# Altium PCB Fri3d_2024_Blaster_01.PcbDoc
Units mm, origin at the board's own origin, x right, y up, seen from the top; angles counter-clockwise.
Board outline 131.23 x 140.15 mm, 2 copper layers (Top Layer, Bottom Layer), stack 1.571 mm thick; 24 components, 23 nets, 103 pads, 1 vias.
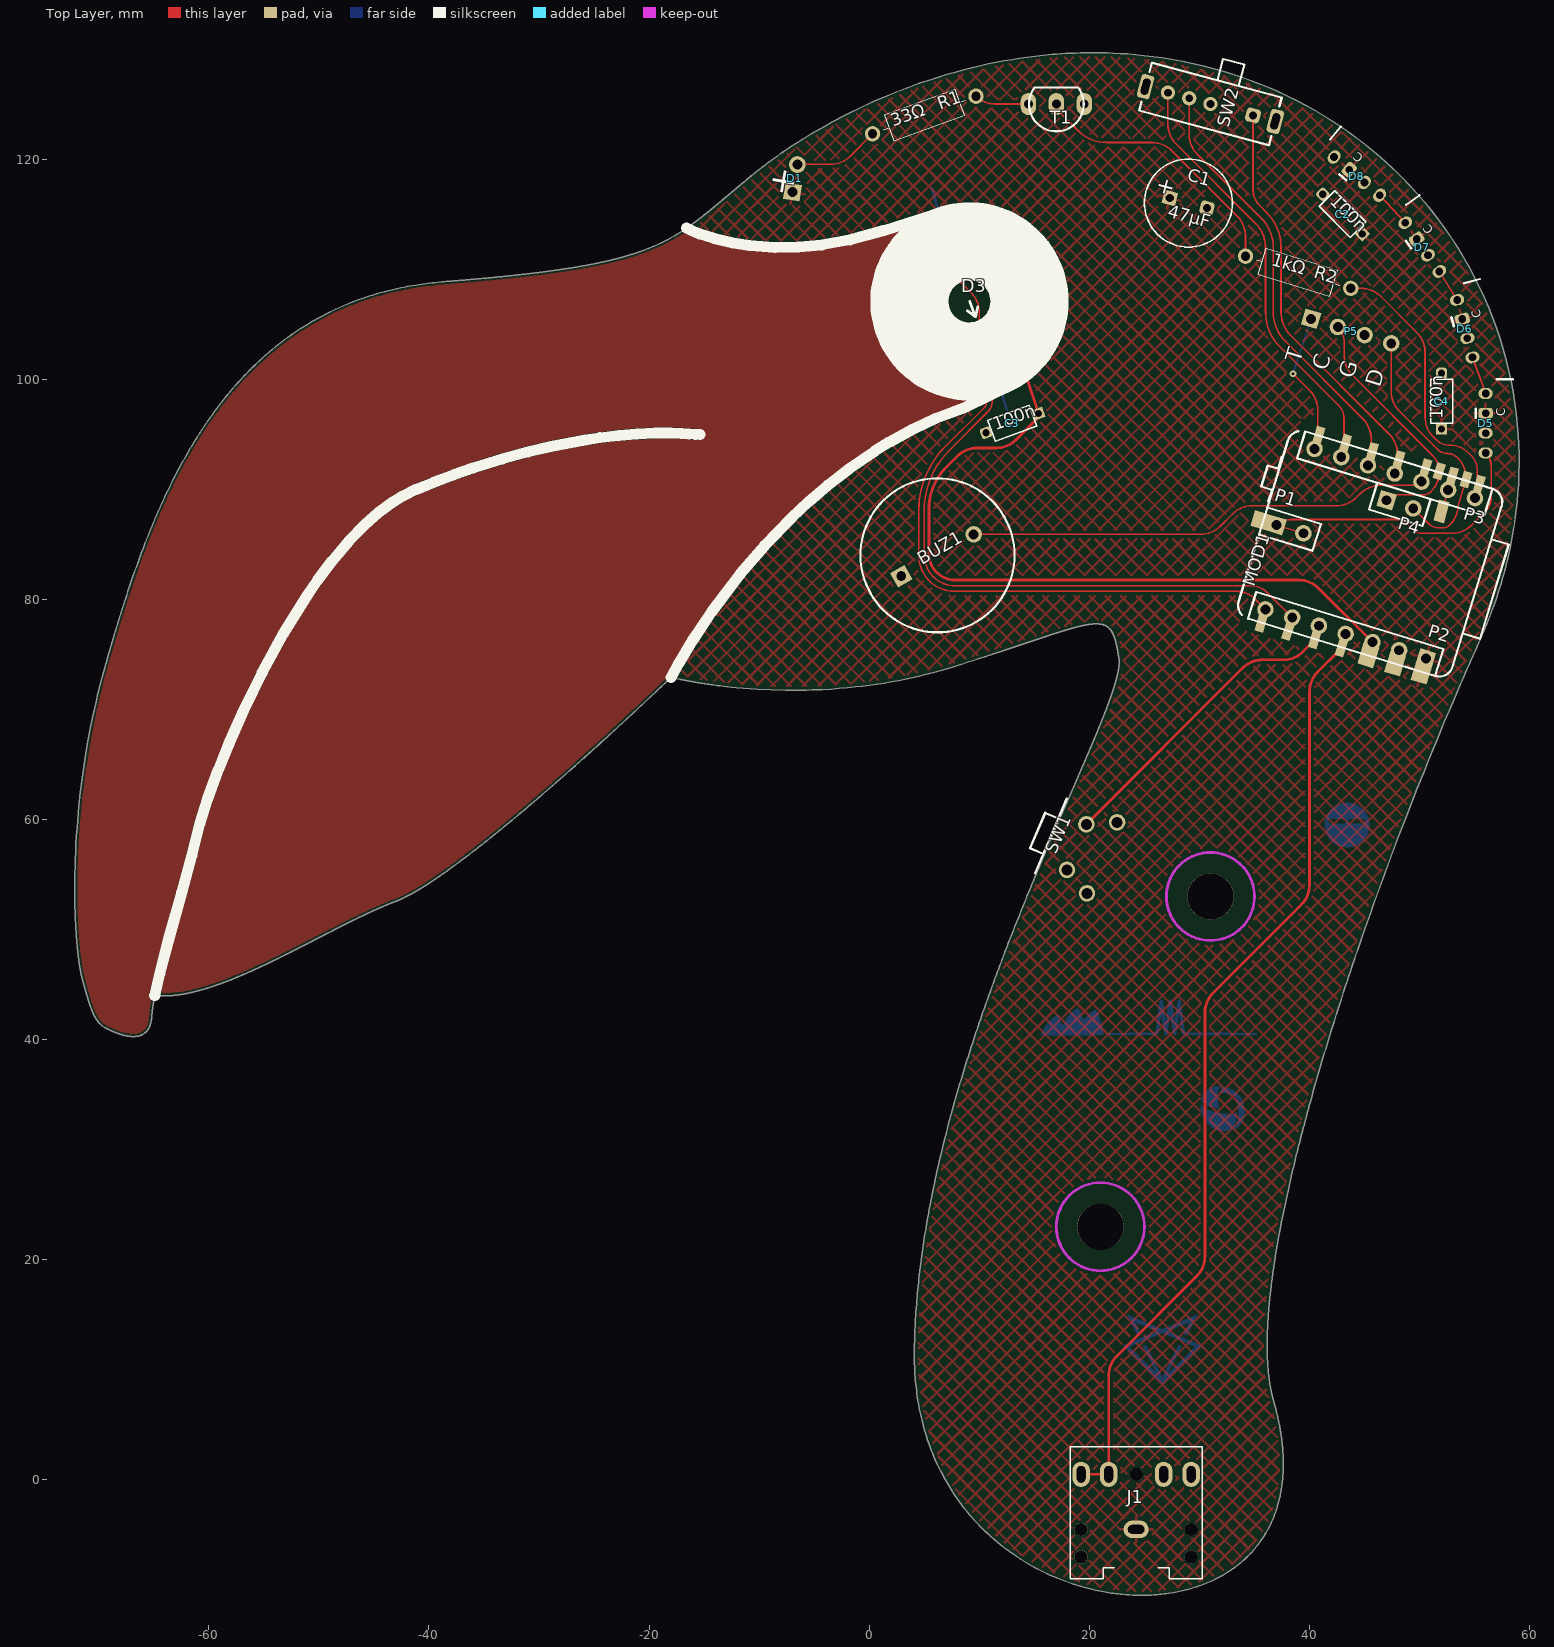
[diagram p0: Top Layer view]
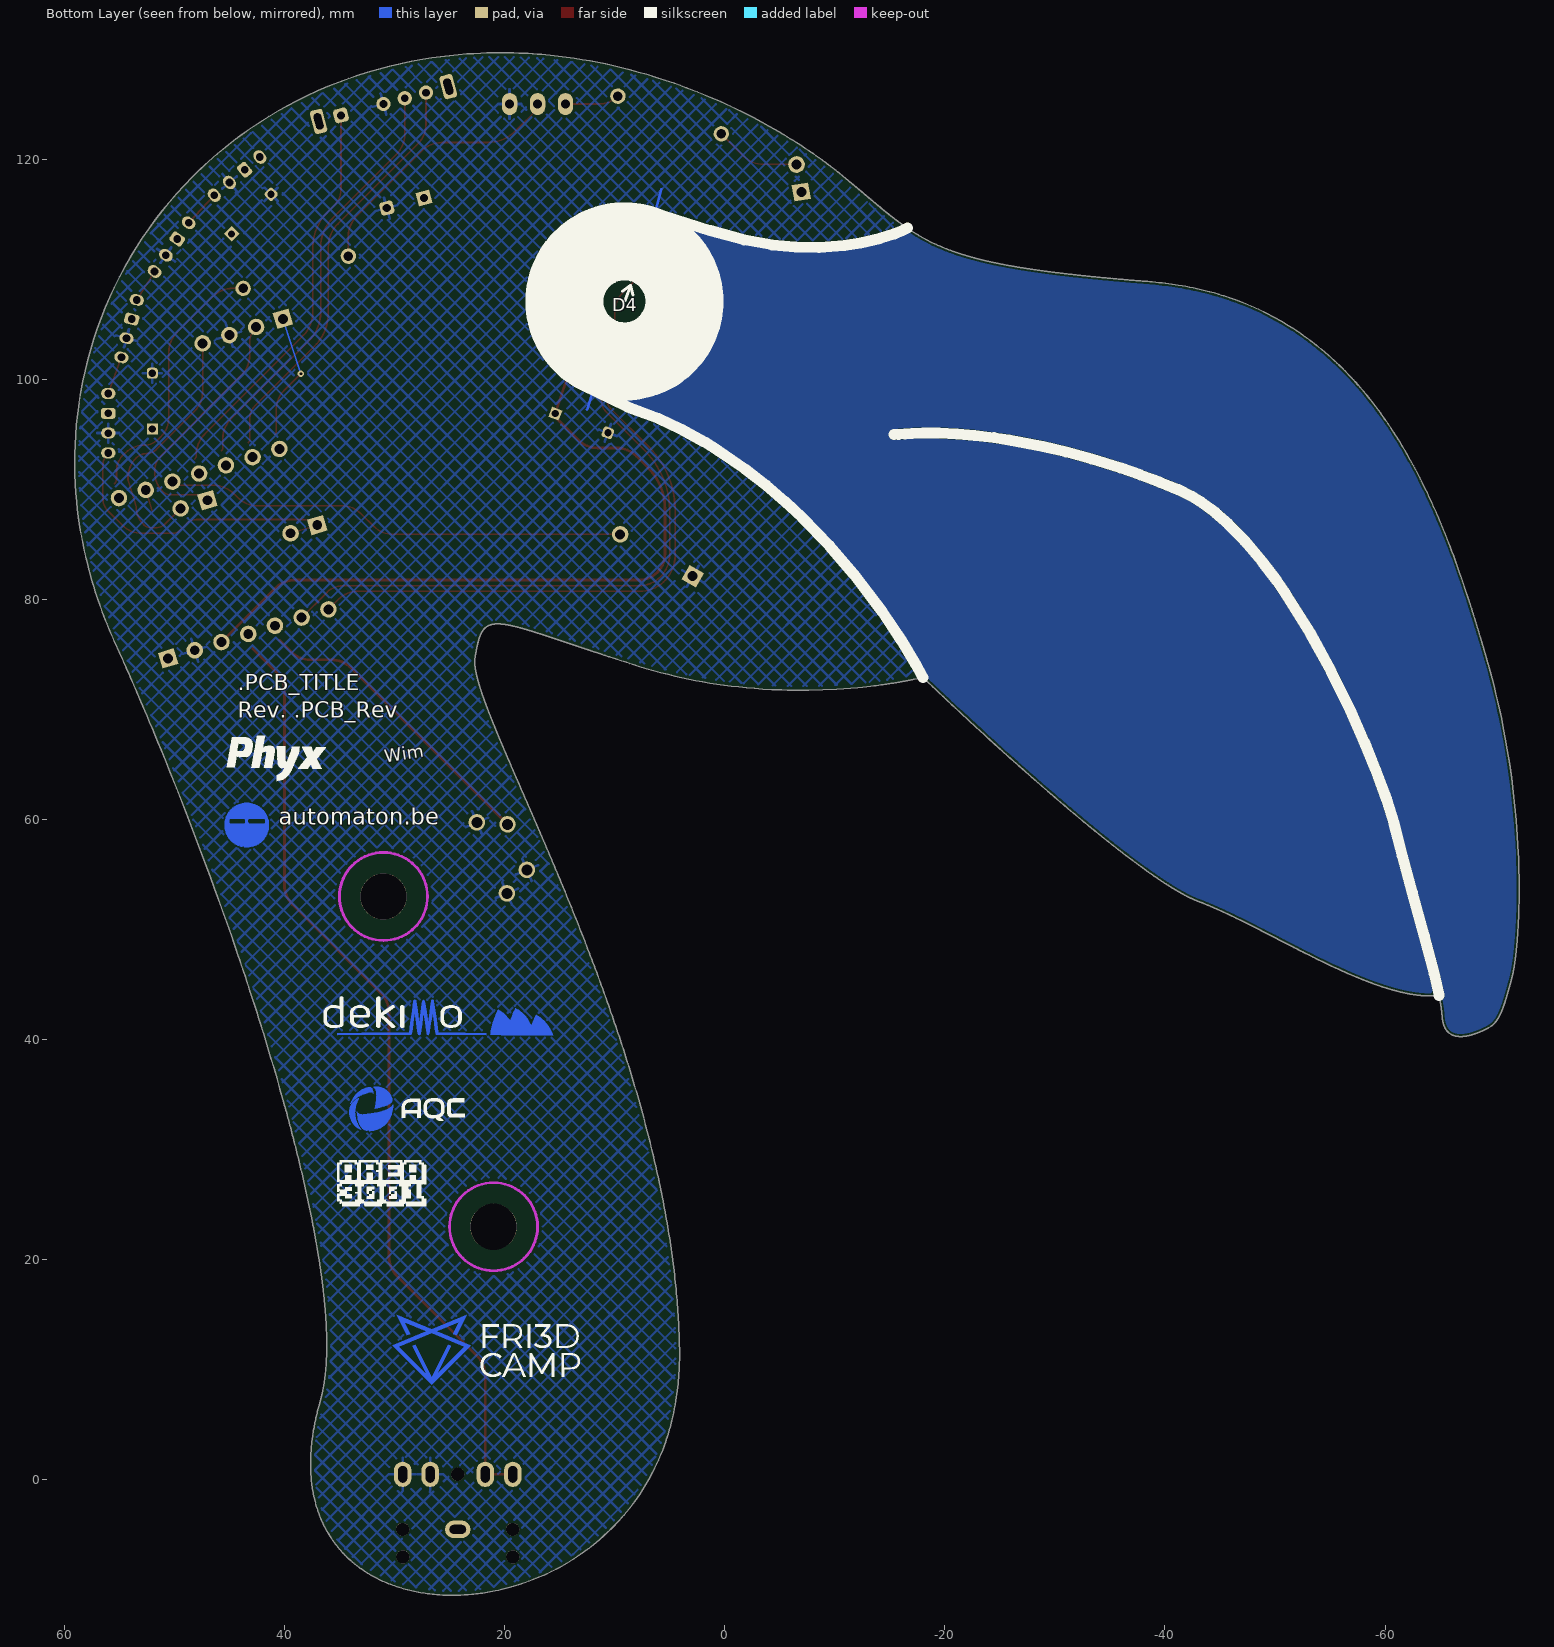
[diagram p1: Bottom Layer view, seen from below]
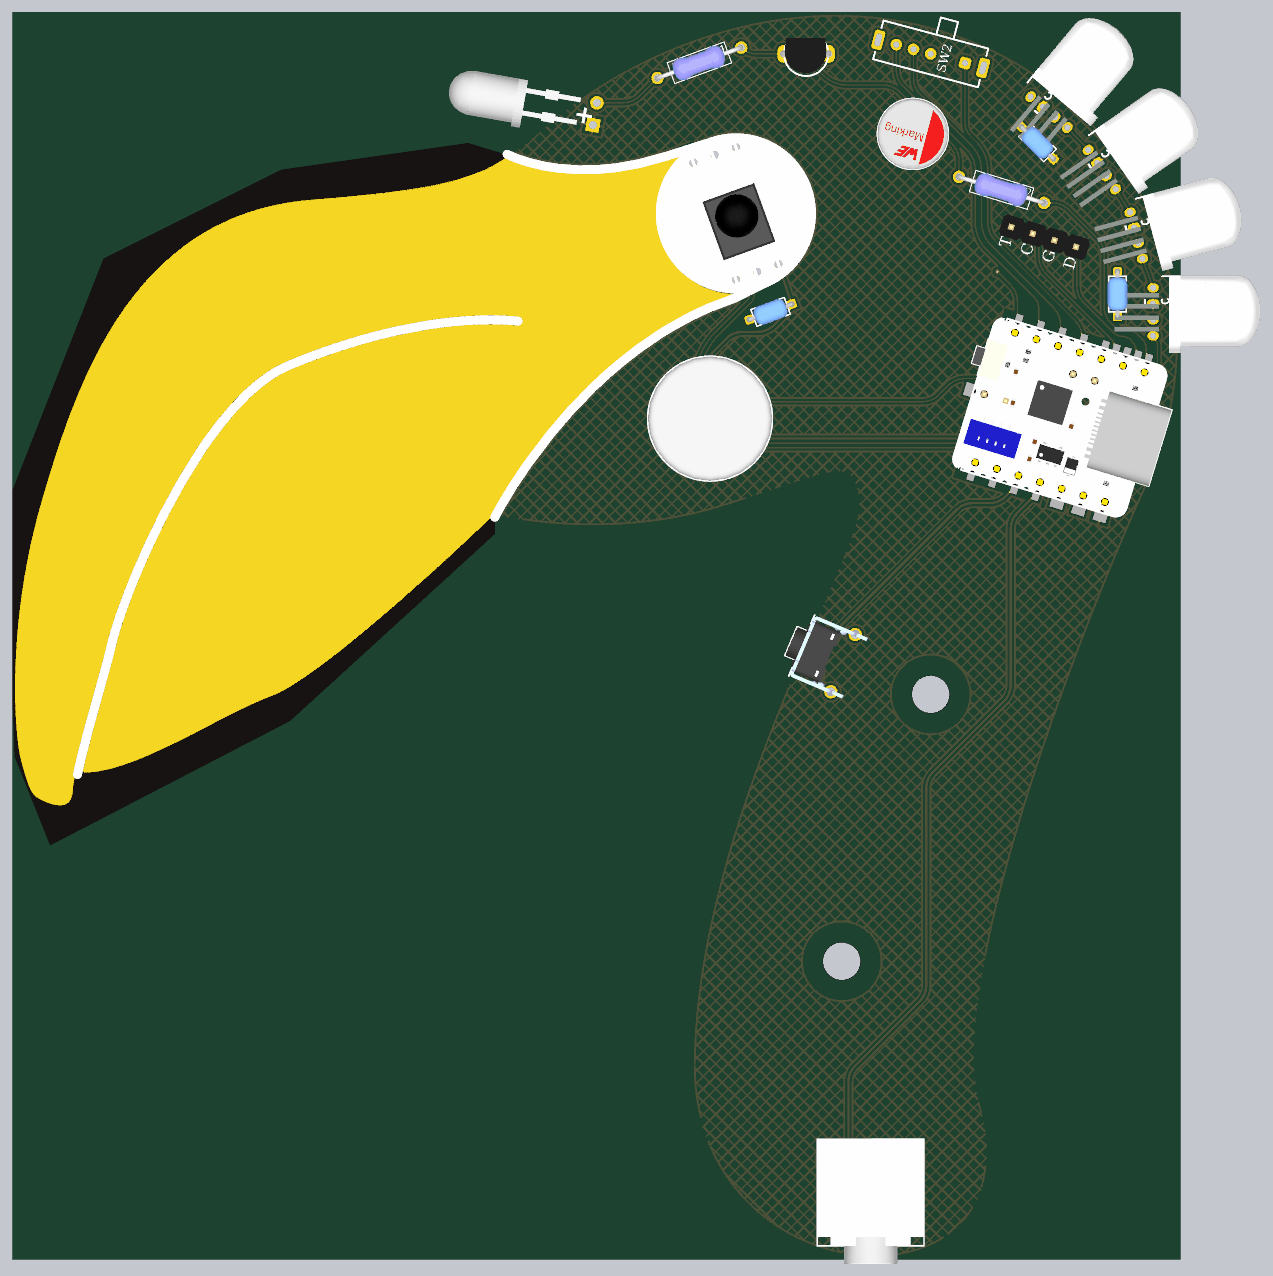
[diagram p2: 3D render of the assembled board from above, using the file's embedded part models]

## Layer stack, top to bottom
Top Solder: solder mask 0.0102, Solder Resist, Dk 3.5
Top Layer: signal copper 0.0356
Dielectric1: core 1.5, FR-4, Dk 4.8
Bottom Layer: signal copper 0.0356
Bottom Solder: solder mask 0.0102, Solder Resist, Dk 3.5

## Board outline
4746 vertices, not listed, extent -72.184,-10.487 59.049,129.659

## Design rules (kind name [scope] priority, off if disabled: settings)
BoardOutlineClearance [NOT OnLayer('Top Overlay') AND NOT OnLayer('Bottom Overlay') AND NOT IsText AND NOT HasFootprint('MicroBIT_V2_PCB') AND NOT IsKeepOut] p1: gap=0.5 ignorepadtopadclearanceinfootprint=FALSE except(0: Arc-SplitContinuation Track-SplitContinuation SMDPad-SplitContinuation THPad-SplitContinuation Via-SplitContinuation Fill-SplitContinuation Poly-SplitContinuation Region-SplitContinuation Text-SplitContinuation; 0.15: SMDPad-OutlineEdge THPad-OutlineEdge; 0.25: Poly-OutlineEdge Region-OutlineEdge; 0.3: Arc-OutlineEdge Track-OutlineEdge; 0.4: Via-OutlineEdge)
Clearance [All] p1: gap=0.15 ignorepadtopadclearanceinfootprint=FALSE except(0.25: Arc-Poly Track-Poly SMDPad-Poly THPad-Poly Via-Poly Fill-Poly; 0.5: Poly-Poly)
ComponentClearance ComponentClearance_TP [HasFootprint('TP_2x3mm')] p1: gap=0 collisioncheckmode=3 verticalgap=0 showdistances=FALSE
ComponentClearance ComponentClearance_CO2 [InComponent('P5') OR InComponent('P8') OR InComponent('MOD2') vs InComponent('P5') OR InComponent('P8') OR InComponent('MOD2')] p2: gap=0 collisioncheckmode=3 verticalgap=0 showdistances=FALSE
ComponentClearance ComponentClearance_BAT [InComponent('P4')  OR InComponent('BAT1') OR InComponent('R27') vs InComponent('P4')  OR InComponent('BAT1') OR InComponent('R27')] p3: gap=0 collisioncheckmode=3 verticalgap=0 showdistances=FALSE
ComponentClearance ComponentClearance_R31-T5 [InComponent('R31') OR InComponent('T5') vs InComponent('R31') OR InComponent('T5')] p4: gap=0 collisioncheckmode=3 verticalgap=0 showdistances=FALSE
ComponentClearance "ComponentClearance_Selection resistors" [InComponent('R45') OR InComponent('R44') OR InComponent('R33') OR InComponent('R34') vs InComponent('R45') OR InComponent('R44') OR InComponent('R33') OR InComponent('R34')] p5: gap=0 collisioncheckmode=3 verticalgap=0 showdistances=FALSE
ComponentClearance ComponentClearance_T9-R4 [InComponent('R4') OR InComponent('T9') vs InComponent('R4') OR InComponent('T9')] p6: gap=0 collisioncheckmode=3 verticalgap=0 showdistances=FALSE
ComponentClearance ComponentClearance_IR [InComponent('D6') OR InComponent('D15') vs InComponent('D6') OR InComponent('D15')] p7: gap=0 collisioncheckmode=3 verticalgap=0 showdistances=FALSE
ComponentClearance [All] p8: gap=0.25 collisioncheckmode=3 verticalgap=0.25 showdistances=FALSE
DiffPairsRouting [All] p1: maxlimit=0.254 minlimit=0.2 mostfreqgap=0.2 toplayer_minwidth=0.25 toplayer_maxwidth=0.5 toplayer_prefwidth=0.25 bottomlayer_minwidth=0.25 bottomlayer_maxwidth=0.5 bottomlayer_prefwidth=0.25 maxuncoupledlength=12.7
HoleSize [All] p1: absolutevalues=TRUE maxlimit=20 minlimit=0.025 maxpercent=80.000 minpercent=20.000
PolygonConnect PolygonConnect_VIA [IsVia] p1: connectstyle=Direct reliefconductorwidth=0.254 reliefentries=4 polygonreliefangle="90 Angle" airgapwidth=0.254
PolygonConnect [All] p2: connectstyle=Relief reliefconductorwidth=0.25 reliefentries=4 polygonreliefangle="90 Angle" airgapwidth=0.35
RoutingVias [All] p1: holewidth=0.3 width=0.7 viastyle="Through Hole" minholewidth=0.3 minwidth=0.2 maxholewidth=0.6 maxwidth=1.2
SilkToSolderMaskClearance SilkscreenOverComponentPads [IsPad] p1: minsilkscreentomaskgap=0.254 clearancetoexposedcopper=TRUE
SolderMaskExpansion [All] p1: expansion=0.05 istentingtop=FALSE
SupplyNets "Schematic Supply Nets_2" [InNet('GND')] p1: voltage=0.000
SupplyNets "Schematic Supply Nets_1" [InNet('VSYS')] p2: voltage=0.000
SupplyNets "Schematic Supply Nets" [InNet('+3V3')] p3: voltage=0.000
Width [All] p1: maxlimit=5 minlimit=0.15 preferedwidth=0.25
26 further rules are at their usual default settings.

## Classes and differential pairs
net class POWER: GND VSYS

## Components (designator, comment, footprint, x,y, rotation, side; value= is the part's Value field where it differs from the comment)
BUZ1 "14x14x7mm Piezo Buzzer Transducer 80dB" CUI_CEP-1162 6.2,84 r30 top value=CMT-1203-SMT
C1 "CAP_POL" C_8x9_3.5mm 29,116 r345 top value="47µF 50V"
C2 "CAP_CERAMIC" C_5.08mm 43,115 r135 top value="100nF 50V"
C3 "CAP_CERAMIC" C_5.08mm 13,96 r200 top value="100nF 50V"
C4 "CAP_CERAMIC" C_5.08mm 52,98 r90 top value="100nF 50V"
D1 "5mm IR LED, 940nm, 100mA, 1.35V, 25Deg" LED_5MM_RD -6.75,118.25 r80 top value=TSAL6400
D3 "IRM-3638N3F14 Infrared Receiver 38 kHz 45° 2.7-5.5V" VIS_TSOP381x_BENT 11.497,100.492 r20 top value=IRM-3638N3F14
D4 "IRM-3638N3F14 Infrared Receiver 38 kHz 45° 2.7-5.5V" VIS_TSOP381x_BENT 6.709,113.647 r20 bottom value=IRM-3638N3F14
D5 "WS2812 based digital RGB LED 4020 White package Side emitting" LED_8mm_RGB_RA_EASY 56,96 r90 top value=WS2812D-F8
D6 "WS2812 based digital RGB LED 4020 White package Side emitting" LED_8mm_RGB_RA_EASY 54.11,104.589 r105 top value=WS2812D-F8
D7 "WS2812 based digital RGB LED 4020 White package Side emitting" LED_8mm_RGB_RA_EASY 50.25,112 r125 top value=WS2812D-F8
D8 "WS2812 based digital RGB LED 4020 White package Side emitting" LED_8mm_RGB_RA_EASY 44.301,118.449 r140 top value=WS2812D-F8
J1 "3.5mm jack, dual switch, black, 3 contacts" CUI_SJ1-3525NG 24.25,0.5 r90 top value=SJ1-3525NG
MOD1 "CH23V203 based TNY module" PHYX_LANA_TNY_SMD 52.631,72.67 r73 top value="LANA TNY"
P1 "Header 2" HDR1X2 37.013,86.741 r343 top
P2 "Header 7" HDR1X7#1 50.574,74.627 r163 top
P3 "Header 7" HDR1X7#2 55.029,89.201 r163 top
P4 "Header 2" HDR1X2 47,89 r343 top
P5 "Header 4" HDR1X4 40.142,105.485 r343 top
R1 "RESISTOR" RES_10mm 5,124 r20 top value=33R
R2 "RESISTOR" RES_10mm 38.968,109.712 r343 top value=1k
SW1 "Tact switch, RA, 3,85mm" TACTSW_RA_385 20,57 r247 top value=431256038716
SW2 "1P3T SK13D07VG3 3mm post" SK13D07VG3 31,125 r165 top value=SK13D07VG3
T1 "0.2A 40V 100hfe NPN Transistor" TO-92A_WIDE 17,125 r90 top value=2N3904

## Footprints (in the part's own frame and the unit in brackets; to place one, negate y for a bottom-side part, rotate by r counter-clockwise, add the part's x,y. Pads: shape width x height; smd on the part's side, far side on the other; paste and mask are expansions set on the pad)
C_5.08mm [mm] "Ceramic Cap 5.08mm pitch"
  rect 1x1 hole 0.65: 1(-2.54,0)
  rrect50% 1x1 hole 0.65: 2(2.54,0)
  silkscreen extent -2,-1 2,1, body extent -2.79,-1.1 2.79,1.11, height 6.2
C_8x9_3.5mm [mm] "Capacitor, Electrolytic, Radial; Body 8 x 9mm; 3.5mm pitch"
  rect 1.25x1.25 hole 0.75: 1(-1.75,0)
  rrect50% 1.25x1.25 hole 0.75: 2(1.75,0)
  silkscreen extent -4,-4 4,4, body extent -3.99,-4 4,4, height 8.89
CUI_CEP-1162 [mm] "14x14x7mm piezo buzzer 7.6mm pitch"
  rect 1.5x1.5 hole 0.9: 1(-3.8,0)
  round 1.5 hole 0.9: 2(3.8,0)
  silkscreen extent -7,-7 7,7, body extent -7,-7 7,7, height 7.1
CUI_SJ1-3525NG [mm] "CUI SJ1-3525NG Audio Jack 3.5mm"
  round 1.2 hole 1.2 unplated: 0(-7.5,-5) 0(-7.5,5) 0(-5,-5) 0(-5,5) 0(0,0)
  oval 1.6x2.3 hole 0.8 slot 1.5 at 90 deg: 1(-5,0)
  oval 2.3x1.6 hole 0.8 slot 1.5 at 0 deg: 2(0,-5) 3(0,5) 4(0,-2.5) 5(0,2.5)
  silkscreen extent -9.5,-6 2.5,6, body extent -11.55,-6 2.5,6, height 5.54
HDR1X2 [mm] "Connector; Header; 2 Position"
  rect 1.5x1.5 hole 0.9: 1(0,0)
  round 1.5 hole 0.9: 2(2.54,0)
  silkscreen extent -1.27,-1.27 3.81,1.27, body extent -1.17,-1.25 3.91,1.25, height 8.2
HDR1X4 [mm] "Connector; Header; 4 Position"
  rect 1.5x1.5 hole 0.9: 1(0,0)
  round 1.5 hole 0.9: 2(2.54,0) 3(5.08,0) 4(7.62,0)
  body extent -1.27,-1.23 8.89,1.27, height 8.2
HDR1X7#1 [mm] "Connector; Header; 7 Position"
  rect 1.5x1.5 hole 0.9: 1(0,0)
  round 1.5 hole 0.9: 2(2.54,0) 3(5.08,0) 4(7.62,0) 5(10.16,0) 6(12.7,0) 7(15.24,0)
  silkscreen extent -1.27,-1.27 16.51,1.27, body extent -1.27,-1.14 16.51,1.14, height 8.13
HDR1X7#2 [mm] "Connector; Header; 7 Position"
  round 1.5 hole 0.9: 1(0,0) 2(2.54,0) 3(5.08,0) 4(7.62,0) 5(10.16,0) 6(12.7,0) 7(15.24,0)
  silkscreen extent -1.27,-1.27 16.51,1.27, body extent -1.27,-1.14 16.51,1.14, height 8.13
LED_5MM_RD [mil] "5mm LED RED"
  rect 60x60 hole 35.43: 1(-50,0)
  round 60 hole 35.43: 2(50,0)
  body extent -118,73 95,656, height 118
LED_8mm_RGB_RA_EASY [mm] "8mm LED RGB"
  oval 1x1.3 hole 0.7: 1(2.7,0) 3(-0.9,0) 4(-2.7,0)
  rrect50% 1x1.3 hole 0.7: 2(0.9,0)
  silkscreen extent 0.5,-2.5 4,0.9, body extent -4.62,-12.05 4.11,4.32, height 4.97
PHYX_LANA_TNY_SMD [mm] "Phyx LANA TNY SMD"
  rect 1.5x0.8 smd: 2(-0.1,17.78) 4(-0.1,15.24) 6(-0.1,12.7) 8(-0.1,10.16) 12(17.88,2.54) 13(17.88,3.81) 14(17.88,5.08) 15(17.88,6.35) 16(17.88,7.62) 18(17.88,10.16) 20(17.88,12.7) 22(17.88,15.24) 24(17.88,17.78)
  rect 2x1.5 smd: 9(0,7.62) 10(0,5.08) 11(0,2.54)
  rect 1.5x2 smd: 26(8.89,20.32)
  silkscreen extent 0,-1.64 17.78,21.4, body extent 0,-1.65 17.78,21.39, height 7.95
RES_10mm [mm] "TH 10mm pitch resistor"
  round 1.4 hole 0.85: 1(-5,0) 2(5,0)
  silkscreen extent -3.96,-1.25 3.96,1.25, body extent -5.31,-1.3 5.19,1.3, height 2.67
SK13D07VG3 [mm] "SWITCH, SP3T, THT, RA"
  rrect50% 1.2x2.2 hole 0.7 slot 1.5 at 90 deg: 0(-6.1,0) 0(6.1,0)
  round 1.3 hole 0.7: 1(4,0) 2(2,0) 3(0,0)
  rrect50% 1.3x1.3 hole 0.7: 4(-4,0)
  silkscreen extent -6.1,-4.25 6.1,2.25, body extent -6.1,-4.25 6.1,2.25, height 4.7
TACTSW_RA_385 [mm] "DEFAULT RA TACT SWITCH 3.85mm"
  round 1.5 hole 1: 1(-2.25,-1.25) 2(2.25,-1.25) MH1(-3.5,1.25) MH2(3.5,1.25)
  silkscreen extent -3.7,-5.1 3.7,-3.8, body extent -4.2,-5.1 4.2,2.75, height 7.21
TO-92A_WIDE [mm] "TO, Flat Index; 3 In-Line, Axial Leads; Body Dia. 4.5mm; Leads 0.51 x 0.48 mm (max)"
  oval 2x1.4 hole 0.8: 1(0,-2.54) 2(0,0) 3(0,2.54)
  silkscreen extent -2.48,-2.48 1.5,2.48, body extent -2.17,-2.74 1.77,2.86, height 10.2
VIS_TSOP381x_BENT [mil] "Vischay IR Receiver bent"
  rrect50% 60x60 hole 35.43: 1(-100,0)
  round 60 hole 35.43: 2(0,0) 3(100,0)
  silkscreen extent -118,39 118,374, body extent -122,-51 122,374, height 244

## Part data
BUZ1: library part "BUZ CUI CEP-1162", "Crystal Oscillator", Supplier Part Number 1=102-1134-ND, Supplier 1=Digi-key, Supplier 2=LCSC, Supplier Part Number 2=C360604
C1: library part "CAP 47µF 50V 8X9", "Capacitor electrolyt", Supplier Part Number 1=C270004, Supplier 1=LCSC, Supplier Part Number 3="47µF 50V 1% _8x9"
C2 C3 C4: library part "CAP 100nF 50V 5.08mm", "Capacitor Ceramic", Supplier Part Number 1=C84772, Supplier 1=LCSC
D1: library part "LED IR 5mm TSAL6400", "=Description", Supplier Part Number 1=3152868, Supplier 1=Farnell, Supplier 2=LCSC, Supplier Part Number 2=C264290
D3 D4: library part "PHO IR Rx RA", "=Description", Supplier Part Number 1=C264262, Supplier 1=LCSC
D5 D6 D7 D8: library part "LED RGB WS2812 8mm", "=Description", Supplier Part Number 1=C139126, Supplier 1=LCSC
J1: library part "AUDIO JACK 3.5 3c SJ1-3525NG", "=Description", Supplier Part Number 1=CP1-3525NG-ND, Supplier 1=Digi-key
MOD1: library part "MOD # CH23V203 LANA TNY SMD", Supplier Part Number 1="LANA TNY", Supplier 1=Phyx
P1 P4: library part "Pin Header 2.54mm 2way", Supplier Part Number 1=C492401, Supplier 1=LCSC, Supplier 2=LCSC, Supplier Part Number 2=C541856
P2 P3: library part "Pin Header 2.54mm 7way"
P5: library part "Pin Header 2.54mm 4way", Supplier Part Number 1=C358686, Supplier 1=LCSC, Supplier 2=LCSC, Supplier Part Number 2=C152150
R1: library part "RES 33R 1/4W", Supplier Part Number 1=C173006, Supplier 1=LCSC, Supplier 3=Generic, Supplier Part Number 3="33R 1/4W 1% TH 10mm"
R2: library part "RES 1k 1/4W", Supplier Part Number 1=C58674, Supplier 1=LCSC, Supplier 3=Generic, Supplier Part Number 3="1k 1/4W 1% TH 10mm"
SW1: library part "SW TACT RA 3,85mm 431256038716", Supplier Part Number 1=431256038716, Supplier 1=Wurth, Supplier 2=Mouser, Supplier Part Number 2=710-431256038716
SW2: library part "SW Slide SP3T SK13D07VG3", Supplier Part Number 1=C2681580, Supplier 1=LCSC
T1: library part "2N3904 NPN 0.2A", Supplier Part Number 1=1700648, Supplier 1=Farnell, Supplier 2=LCSC, Supplier Part Number 2=C118538

## Free pads (board coordinates)
  rect 1x2 smd rot 165: 2(52,88)
  round 4.2 hole 4.2 unplated: MH(21,23) MH(31,53)

## Via types
v1: diameter 0.6, hole 0.25, Top Layer to Bottom Layer, tented both sides, 1 vias